# Altium PCB HDMI_To_MIPI.PcbDoc (part 2 of 2)
Units mm, origin at the board's own origin, x right, y up, seen from the top; angles counter-clockwise.
Board outline 144 x 71 mm, 2 copper layers (Top1, Bottom2), stack 1.071 mm thick; 56 components, 61 nets, 363 pads, 170 vias.
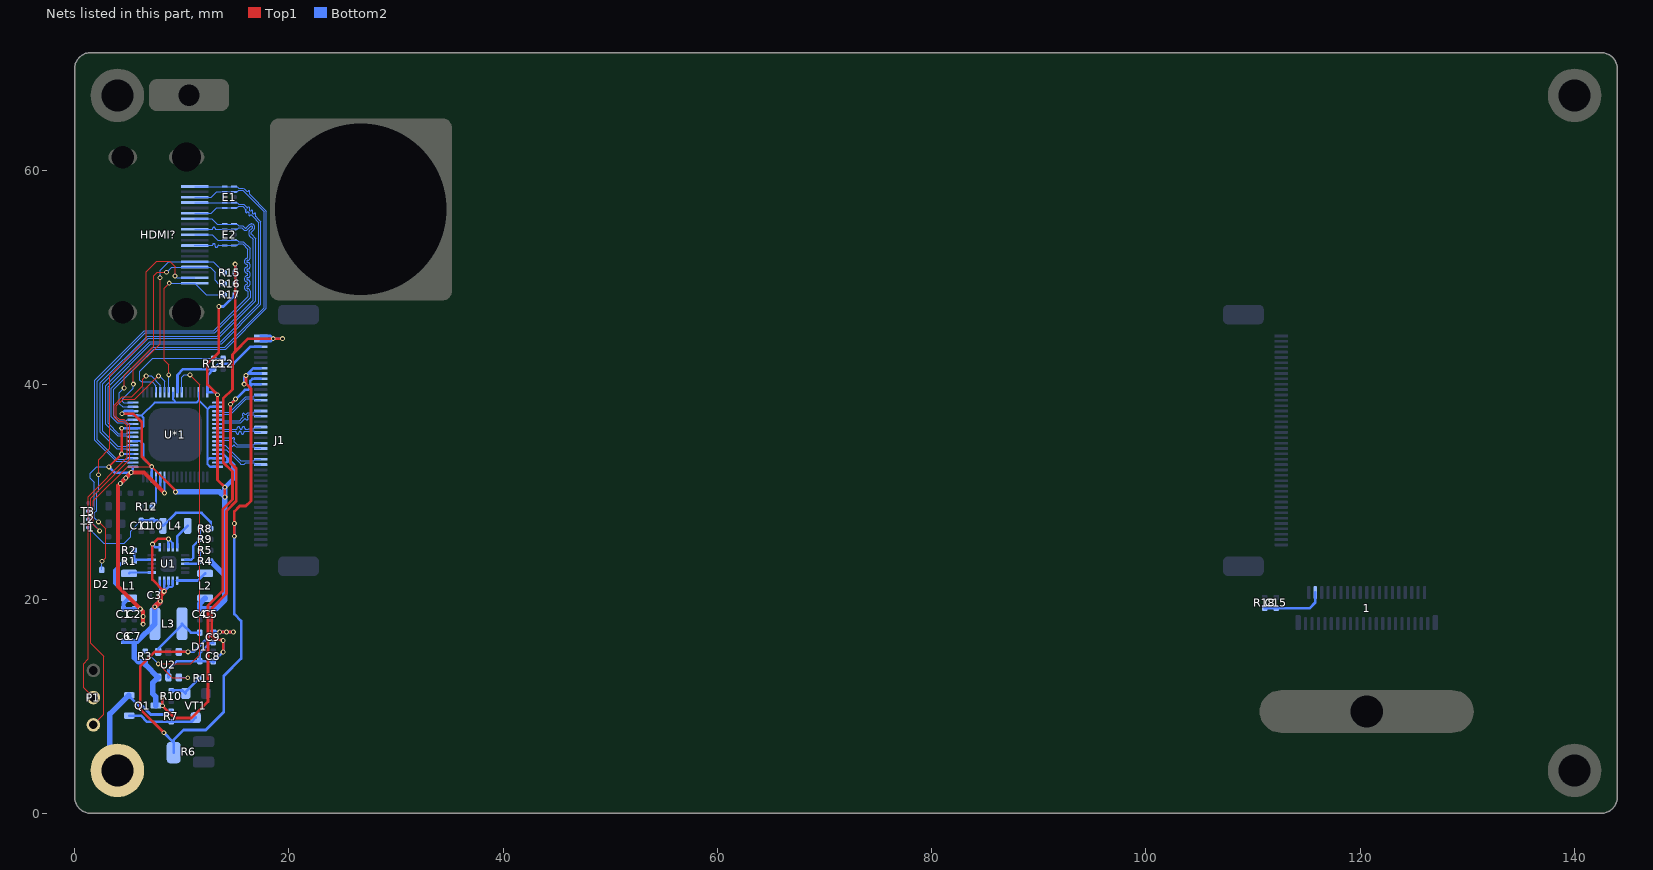
[diagram p2: the nets of this part, all layers, seen from the top]

## Via types
v1: diameter 0.457, hole 0.254, Top1 to Bottom2, tented both sides, 170 vias

## Nets (pads, with @x,y where several pads share a name; then routed paths per layer and width w, separated by ;. In a path a pad name is that pad's centre, name@x,y a point inside that pad or via, vN(x,y) a via of type N, cw(c..) or ccw(c..) an arc to the next point about the centre after c; other vN are vias at no path point) (continued)
HDMI_5V_DET: R3.1 U2.4 U*1.26 | length 38.8
  Top1 w0.102: v1(10.566,12.649) 9.1,12.649 v1(7.804,13.945) 10.82,13.945 11.684,14.808 11.684,40.005 v1(10.77,40.919)
  Bottom2 w0.102: R3.1@6.604,15.145 v1(7.804,13.945) ; U2.4@9.728,12.681 10.534,12.681 v1(10.566,12.649) ; U*1.26@9.998,39.288 9.998,40.681 10.236,40.919 v1(10.77,40.919)
HDMIC_N: E2.1 E2.10 HDMI?.12 U*1.2 | length 38.9
  Bottom2 w0.102: U*1.2@5.448,32.738 4.897,32.738 4.799,32.836 3.867,32.836 1.905,34.798 1.905,40.419 6.52,45.034 12.997,45.034 16.18,48.217 16.18,48.743 ; HDMI?.12@11.21,52.984 11.226,53 12.776,53 12.804,53 ccw(c12.804,53.086) 12.89,53.086 cw(c12.982,53.086) 12.982,53.178 13.028,53.178 cw(c13.028,53.086) 13.119,53.086 13.119,53 13.119,52.914 ccw(c13.211,52.914) 13.211,52.822 13.256,52.822 ccw(c13.256,52.914) 13.348,52.914 cw(c13.434,52.914) 13.434,53 13.513,53 E2.1@14,53 E2.10@14.875,53 15.188,53 15.337,53.148 15.678,53.148 16.18,52.646 16.18,51.841 ; 16.154,48.768 cw(c16.154,49.073) 16.154,49.378 ; 16.154,49.581 cw(c16.154,49.886) 16.154,50.19 ; 16.154,50.394 cw(c16.154,50.698) 16.154,51.003 ; 16.154,51.206 cw(c16.154,51.511) 16.154,51.816 ; 16.18,49.403 16.18,49.555 ; 16.18,50.216 16.18,50.368 ; 16.18,51.029 16.18,51.181
HDMIC_P: E2.2 E2.9 HDMI?.10 U*1.3 | length 38.9
  Bottom2 w0.102: U*1.3@5.448,33.138 4.897,33.138 4.799,33.04 3.951,33.04 2.108,34.882 2.108,40.335 6.604,44.831 13.081,44.831 16.383,48.133 16.383,48.743 ccw(c16.154,48.743) 16.154,48.971 cw(c16.154,49.073) 16.154,49.174 ccw(c16.154,49.403) 16.383,49.403 16.383,49.555 ccw(c16.154,49.555) 16.154,49.784 cw(c16.154,49.886) 16.154,49.987 ccw(c16.154,50.216) 16.383,50.216 16.383,50.368 ccw(c16.154,50.368) 16.154,50.597 cw(c16.154,50.698) 16.154,50.8 ccw(c16.154,51.029) 16.383,51.029 16.383,51.181 ccw(c16.154,51.181) 16.154,51.41 cw(c16.154,51.511) 16.154,51.613 ccw(c16.154,51.841) 16.383,51.841 16.383,52.73 15.762,53.352 15.337,53.352 15.188,53.5 E2.9@14.875,53.5 E2.2@14,53.5 13.353,53.5 12.853,54 HDMI?.10@11.21,54
HDMID0_N: E2.4 E2.7 HDMI?.9 U*1.5 | length 38.9
  Bottom2 w0.102: U*1.5@5.448,33.938 4.897,33.938 4.799,34.036 3.937,34.036 2.413,35.56 2.413,40.165 6.774,44.526 13.31,44.526 16.688,47.904 16.688,53.561 16.322,53.926 cw(c16.538,54.142) 16.322,54.357 16.592,54.626 ccw(c16.52,54.698) 16.622,54.698 ccw(c16.52,54.698) 16.448,54.77 16.179,54.501 cw(c15.963,54.716) 15.748,54.501 15.6,54.648 15.337,54.648 15.188,54.5 E2.7@14.875,54.5 E2.4@14,54.5 13.259,54.5 13.208,54.5 cw(c13.208,54.602) 13.106,54.602 ccw(c13.005,54.602) 13.005,54.703 ccw(c13.005,54.602) 12.903,54.602 cw(c12.802,54.602) 12.802,54.5 HDMI?.9@11.21,54.5
HDMID0_P: E2.5 E2.6 HDMI?.7 U*1.6 | length 38.9
  Bottom2 w0.102: U*1.6@5.448,34.338 4.897,34.338 4.799,34.24 4.021,34.24 2.616,35.644 2.616,40.081 6.858,44.323 13.394,44.323 16.891,47.82 16.891,53.645 16.466,54.07 cw(c16.538,54.142) 16.466,54.213 16.736,54.483 ccw(c16.52,54.698) 16.825,54.698 ccw(c16.52,54.698) 16.304,54.914 16.035,54.644 cw(c15.963,54.716) 15.891,54.644 15.684,54.852 15.337,54.852 15.188,55 E2.6@14.875,55 E2.5@14,55 13.301,55 12.801,55.5 HDMI?.7@11.21,55.5
HDMID1_N: E1.1 E1.10 HDMI?.6 U*1.8 | length 38.9
  Bottom2 w0.102: U*1.8@5.448,35.138 4.897,35.138 4.799,35.236 4.007,35.236 2.921,36.322 2.921,39.911 7.028,44.018 13.632,44.018 17.196,47.582 17.196,55.135 16.608,55.724 16.606,55.725 16.517,55.815 ccw(c16.463,55.761) 16.409,55.815 cw(c16.337,55.886) 16.265,55.815 cw(c16.337,55.886) 16.265,55.958 ccw(c16.211,56.012) 16.265,56.066 16.229,56.102 ccw(c16.175,56.048) 16.122,56.102 cw(c16.05,56.174) 15.978,56.102 cw(c16.05,56.174) 15.978,56.246 ccw(c15.924,56.299) 15.978,56.353 15.888,56.443 15.816,56.515 15.683,56.648 15.337,56.648 15.188,56.5 E1.10@14.875,56.5 E1.1@14,56.5 13.259,56.5 12.759,56 HDMI?.6@11.21,56
HDMID1_P: E1.2 E1.9 HDMI?.4 U*1.9 | length 38.9
  Bottom2 w0.102: U*1.9@5.448,35.538 4.897,35.538 4.799,35.44 4.091,35.44 3.124,36.406 3.124,39.827 7.112,43.815 13.716,43.815 17.399,47.498 17.399,55.22 17.018,55.601 16.988,55.63 16.899,55.72 cw(c16.952,55.774) 16.899,55.828 ccw(c16.827,55.9) 16.899,55.972 ccw(c16.827,55.9) 16.755,55.972 cw(c16.701,56.025) 16.647,55.972 16.611,56.007 cw(c16.665,56.061) 16.611,56.115 ccw(c16.539,56.187) 16.611,56.259 ccw(c16.539,56.187) 16.467,56.259 cw(c16.414,56.313) 16.36,56.259 16.324,56.295 cw(c16.378,56.349) 16.324,56.403 ccw(c16.252,56.474) 16.324,56.546 ccw(c16.252,56.474) 16.18,56.546 cw(c16.126,56.6) 16.072,56.546 15.983,56.636 15.839,56.78 15.767,56.852 15.337,56.852 15.188,57 E1.9@14.875,57 E1.2@14,57 HDMI?.4@11.21,57
HDMID2_N: E1.4 E1.7 HDMI?.3 U*1.11 | length 38.9
  Bottom2 w0.102: U*1.11@5.448,36.338 4.897,36.338 4.799,36.436 4.004,36.436 3.429,37.011 3.429,39.657 7.282,43.51 14.013,43.51 17.704,47.201 17.704,56.126 16.252,57.578 15.681,58.148 15.337,58.148 15.188,58 E1.7@14.875,58 E1.4@14,58 13.271,58 12.771,57.5 HDMI?.3@11.21,57.5
HDMID2_P: E1.5 E1.6 HDMI?.1 U*1.12 | length 38.9
  Bottom2 w0.102: U*1.12@5.448,36.738 4.897,36.738 4.799,36.64 4.088,36.64 3.632,37.095 3.632,39.573 7.366,43.307 14.097,43.307 17.907,47.117 17.907,56.21 16.396,57.721 16.34,57.777 cw(c16.412,57.849) 16.34,57.921 ccw(c16.268,57.992) 16.34,58.064 ccw(c16.268,57.992) 16.197,58.064 cw(c16.125,58.136) 16.053,58.064 15.981,58.136 15.837,58.28 15.766,58.352 15.337,58.352 15.188,58.5 E1.6@14.875,58.5 HDMI?.1@11.21,58.5
HPD: HDMI?.19 R17.2 U*1.23 | length 16.1
  Top1 w0.102: v1(8.788,40.919) 8.788,41.885 8.382,42.291 8.382,49.022 v1(8.839,49.479)
  Bottom2 w0.102: U*1.23@8.798,39.288 v1@8.798,40.91 ; v1(8.839,49.479) HDMI?.19@11.21,49.479 12.302,48.387 R17.2@13.97,48.387
MIPI1_D0_N: J1.13 U*1.36 | length 4.7
  Bottom2 w0.102: U*1.36@13.348,37.138 13.74,37.138 13.839,37.236 14.58,37.236 16.04,38.696 16.73,38.696 16.789,38.637 16.789,38.631 16.872,38.548 J1.13@17.374,38.548
MIPI1_D0_P: J1.12 U*1.35 | length 4.7
  Bottom2 w0.102: U*1.35@13.348,37.538 13.74,37.538 13.839,37.44 14.495,37.44 15.955,38.9 16.73,38.9 16.789,38.959 16.789,38.965 16.872,39.048 J1.12@17.374,39.048
MIPI1_D1_N: J1.16 U*1.38 | length 4.8
  Bottom2 w0.102: U*1.38@13.348,36.338 13.74,36.338 13.839,36.436 15.489,36.436 15.627,36.574 15.824,36.772 cw(c15.905,36.691) 15.986,36.772 16.004,36.754 ccw(c16.085,36.834) 16.166,36.754 ccw(c16.085,36.834) 16.166,36.915 16.148,36.933 cw(c16.229,37.014) 16.148,37.095 16.249,37.196 16.369,37.196 16.73,37.196 16.789,37.137 16.789,37.131 16.872,37.048 J1.16@17.374,37.048
MIPI1_D1_P: J1.15 U*1.37 | length 4.8
  Bottom2 w0.102: U*1.37@13.348,36.738 13.74,36.738 13.839,36.64 15.405,36.64 15.672,36.906 15.708,36.942 ccw(c15.627,37.023) 15.708,37.104 15.69,37.122 cw(c15.771,37.203) 15.69,37.283 cw(c15.771,37.203) 15.851,37.283 15.869,37.265 ccw(c15.95,37.346) 16.031,37.265 16.165,37.4 16.73,37.4 16.789,37.459 16.789,37.465 16.872,37.548 J1.15@17.374,37.548
MIPI1_D2_N: J1.22 U*1.42 | length 4.7
  Bottom2 w0.102: U*1.42@13.348,34.738 13.74,34.738 13.839,34.836 14.44,34.836 14.637,34.639 cw(c14.556,34.558) 14.637,34.477 14.619,34.459 ccw(c14.7,34.378) 14.619,34.298 ccw(c14.7,34.378) 14.781,34.298 14.799,34.316 cw(c14.88,34.235) 14.96,34.316 15.08,34.196 16.73,34.196 16.789,34.137 16.789,34.131 16.872,34.048 J1.22@17.374,34.048
MIPI1_D2_P: J1.21 U*1.41 | length 4.7
  Bottom2 w0.102: U*1.41@13.348,35.138 13.74,35.138 13.839,35.04 14.524,35.04 14.56,35.004 ccw(c14.641,35.084) 14.721,35.004 14.739,35.022 cw(c14.82,34.941) 14.901,35.022 cw(c14.82,34.941) 14.901,34.86 14.883,34.842 ccw(c14.964,34.761) 14.883,34.68 15.136,34.427 15.164,34.4 16.73,34.4 16.789,34.459 16.789,34.465 16.872,34.548 J1.21@17.374,34.548
MIPI1_D3_N: J1.25 U*1.44 | length 4.7
  Bottom2 w0.102: U*1.44@13.348,33.938 14.17,33.938 15.411,32.696 15.519,32.588 15.85,32.588 15.958,32.696 16.071,32.696 16.73,32.696 16.789,32.637 16.789,32.631 16.872,32.548 J1.25@17.374,32.548
MIPI1_D3_P: J1.24 U*1.43 | length 4.7
  Bottom2 w0.102: U*1.43@13.348,34.338 14.082,34.338 15.521,32.9 16.73,32.9 16.789,32.959 16.789,32.965 16.872,33.048 J1.24@17.374,33.048
MIPI1_DC_N: J1.19 U*1.40 | length 4.8
  Bottom2 w0.102: U*1.40@13.348,35.538 13.74,35.538 13.839,35.636 14.707,35.636 14.986,35.636 cw(c14.986,35.522) 15.1,35.522 15.1,35.497 ccw(c15.215,35.497) 15.329,35.497 15.329,35.522 cw(c15.443,35.522) 15.558,35.522 15.558,35.497 ccw(c15.672,35.497) 15.786,35.497 15.786,35.522 cw(c15.9,35.522) 15.9,35.636 16.158,35.636 16.315,35.636 16.375,35.696 16.73,35.696 16.789,35.637 16.789,35.631 16.872,35.548 J1.19@17.374,35.548
MIPI1_DC_P: J1.18 U*1.39 | length 4.8
  Bottom2 w0.102: U*1.39@13.348,35.938 13.74,35.938 13.839,35.84 15.035,35.84 15.086,35.84 ccw(c15.086,35.954) 15.2,35.954 15.2,35.979 cw(c15.314,35.979) 15.428,35.979 15.428,35.954 ccw(c15.543,35.954) 15.657,35.954 15.657,35.979 cw(c15.771,35.979) 15.886,35.979 15.886,35.954 ccw(c16,35.954) 16,35.84 16.231,35.84 16.261,35.87 16.291,35.9 16.73,35.9 16.789,35.959 16.789,35.965 16.872,36.048 J1.18@17.374,36.048
NetC12_2: C12.2 R13.1 U*1.20 | length 11.5
  Bottom2 w0.102: U*1.20@7.598,39.288 7.598,39.9 7.239,40.259 6.248,40.259 6.071,40.437 6.071,41.25 7.29,42.469 R13.1@12.979,42.469 C12.2@13.868,42.469
NetD1_1: D1.1 L3.2 U2.1 | length 5.5
  Bottom2 w0.254: U2.1@7.798,15.069 7.798,15.349 10.033,17.584 L3.2@10.033,17.685 10.863,16.855 D1.1@11.684,16.855
NetD2_1: D2.1 HDMI?.18 | length 36.5
  Top1 w0.102: v1(2.235,27.203) 2.896,26.543 2.896,23.851 v1(2.565,23.52) ; v1(2.235,31.598) 2.235,32.995 3.302,34.061 3.302,40.843 6.706,44.247 6.706,50.546 7.671,51.511 8.865,51.511 9.373,51.003 v1(9.373,50.14)
  Bottom2 w0.102: v1(2.235,27.203) 1.854,27.584 1.854,28.029 2.083,28.258 2.083,29.972 2.235,30.124 v1(2.235,31.598) ; D2.1@2.54,22.716 2.54,23.495 v1(2.565,23.52) ; v1(9.373,50.14) 9.525,49.987 HDMI?.18@11.21,49.987
NetL1_1: L1.1 U1.11 | length 2.2
  Bottom2 w0.229: L1.1@5.08,22.391 5.162,22.473 U1.11@7.213,22.473
NetL2_1: L2.1 U1.6 | length 2.9
  Bottom2 w0.254: U1.6@9.563,21.723 11.531,21.723 L2.1@12.192,22.384
NetL4_1: L4.1 U1.20 | length 2.4
  Bottom2 w0.229: U1.20@9.563,24.823 9.563,25.844 L4.1@10.548,26.829
NetQ1_1: Q1.1 R7.1 VT1.3 | length 6.6
  Bottom2 w0.254: Q1.1@5.104,9.107 6.184,9.107 6.758,8.533 R7.1@9.017,8.533 10.904,8.533 VT1.3@11.303,8.932
NetR1_1: R1.1 R2.2 U1.14 | length 2.7
  Bottom2 w0.229: R2.2@5.588,24.543 R1.1@5.588,23.527 5.734,23.673 U1.14@7.213,23.673
NetR4_1: R4.1 R5.2 U1.3 | length 2.5
  Bottom2 w0.229: U1.3@10.313,23.273 11.43,23.273 R4.1@11.684,23.527 R5.2@11.684,24.543
NetR8_1: R8.1 R9.2 U1.2 | length 3.8
  Bottom2 w0.229: U1.2@10.313,23.673 10.897,23.673 11.074,23.851 11.074,24.949 R9.2@11.684,25.559 R8.1@11.684,26.575
NetR10_1: R10.1 R11.1 VT1.1 | length 3.4
  Bottom2 w0.254: R10.1@9.017,11.454 10.081,11.454 VT1.1@10.353,11.182 10.353,11.318 11.582,12.548 R11.1@11.582,12.624
NetR12_2: R12.2 U*1.61 | length 2.9
  Bottom2 w0.178: R12.2@7.239,28.607 7.598,28.966 U*1.61@7.598,31.388
R_DDC_SCL: HDMI?.15 R15.1 U*1.16 | length 21.4
  Top1 w0.102: v1(5.486,40.056) 5.486,41.351 7.976,43.84 v1(7.976,49.987)
  Bottom2 w0.102: U*1.16@5.448,38.338 4.592,38.338 4.5,38.43 4.5,38.688 5.486,39.675 v1(5.486,40.056) ; v1(7.976,49.987) 7.976,50.673 8.788,51.485 HDMI?.15@11.21,51.485 12.954,51.485 R15.1@13.97,50.47
R_DDC_SDA: HDMI?.16 R16.1 U*1.15 | length 22.7
  Top1 w0.102: v1(4.623,39.7) 4.623,40.843 7.391,43.612 7.391,50.19 7.696,50.495 v1(8.585,50.495)
  Bottom2 w0.102: v1(4.623,39.7) 4.191,39.268 4.191,38.227 4.48,37.938 U*1.15@5.448,37.938 ; v1(8.585,50.495) 9.067,50.977 HDMI?.16@11.21,50.977 12.65,50.977 13.106,50.521 13.106,49.733 13.411,49.428 R16.1@13.97,49.428
R_I2C_SCL: P1.2 U*1.21 | length 37
  Top1 w0.102: P1.2@1.753,10.795 0.838,11.709 0.838,13.97 1.27,14.402 1.27,29.561 4.937,33.229 4.937,36.152 4.513,36.576 4.064,36.576 3.683,36.957 3.683,38.1 4.445,38.862 5.334,38.862 6.375,39.903 6.375,40.513 v1(6.68,40.818)
  Bottom2 w0.102: v1(6.68,40.818) 7.139,40.818 7.998,39.959 U*1.21@7.998,39.288
R_I2C_SDA: P1.3 U*1.22 | length 39.8
  Top1 w0.102: P1.3@1.753,8.255 2.718,9.22 2.718,14.656 1.499,15.875 1.499,29.413 5.141,33.055 5.141,36.236 4.597,36.779 4.148,36.779 3.912,37.015 3.912,38.024 4.521,38.633 5.639,38.633 v1(7.823,40.818)
  Bottom2 w0.102: v1(7.823,40.818) 7.899,40.818 8.398,40.319 U*1.22@8.398,39.288
RST: 1.4 C15.2 R18.1 | length 5.9
  Bottom2 w0.254: R18.1@111.074,19.126 C15.2@112.166,19.126 115.265,19.126 115.8,19.661 1.4@115.8,20.6
V_MIPI: C3.2 C6.2 C7.2 J1.1 J1.2 L3.1 Q1.3 R3.2 R15.2 R16.2 U1.7 U1.8 U1.9 U1.10 U1.16 U1.18 U1.19 U2.6 | length 89.8
  Top1 w0.229: v1(8.363,20.714) 7.264,21.813 v1(7.264,25.121) 7.747,25.603 v1(8.763,25.603)
  Top1 w0.254: v1(8.179,10.87) 8.179,10.058 v1(8.204,10.033) 9.347,8.89 10.922,8.89 12.446,10.414 12.446,19.38 13.818,20.752 13.818,28.367 14.732,29.281 14.732,31.902 13.868,32.766 13.868,38.71 14.732,39.573 14.732,42.824 14.986,43.078 ; v1(14.986,51.257) 14.986,43.078 ; v1(19.404,44.296) v1(18.544,44.296) 16.203,44.296 14.986,43.078
  Top1 w0.508: v1(7.493,19.279) v1(8.001,19.787) 8.001,20.352 v1(8.363,20.714)
  Bottom2 w0.203: U1.10@7.963,21.723 7.963,20.39 C3.2@8.001,20.352 ; v1(8.363,20.714) U1.9@8.363,21.723 ; U1.8@8.763,21.723 8.763,21.114 9.049,21.114 9.163,21.228 U1.7@9.163,21.723
  Bottom2 w0.229: v1(7.264,25.121) 7.562,24.823 U1.16@7.963,24.823 ; U1.18@8.763,24.823 v1(8.763,25.603) 9.163,25.203 U1.19@9.163,24.823
  Bottom2 w0.254: C3.2@8.001,20.352 v1(8.363,20.714) 8.763,21.114 ; v1(8.179,10.87) 8.179,10.058 v1(8.204,10.033) ; R16.2@14.986,49.428 R15.2@14.986,50.47 v1(14.986,51.257) ; J1.2@17.374,44.048 18.296,44.048 v1(18.544,44.296) ; J1.1@17.374,44.548 18.292,44.548 v1(18.544,44.296) ; v1@19.406,44.298 v1(19.404,44.296) v1(18.544,44.296)
  Bottom2 w0.508: C6.2@4.572,16.034 C7.2@5.588,16.034 ; Q1.3@7.596,10.057 7.596,10.87 7.315,11.151 7.315,12.199 U2.6@7.798,12.681 6.604,13.875 R3.2@6.604,14.129 5.988,14.129 5.588,14.529 C7.2@5.588,16.034 ; C3.2@8.001,20.352 v1(8.001,19.787) v1(7.493,19.279) L3.1@7.493,17.685 5.842,16.034 C7.2@5.588,16.034
VBUS_A2: pad.@4,4 Q1.2 R7.2 | length 12.9
  Bottom2 w0.254: Q1.2@5.071,10.956 6.02,10.008 6.325,10.008 7.112,9.22 8.688,9.22 R7.2@9.017,9.549
  Bottom2 w0.508: pad.@4,4 3.302,4.698 3.302,9.271 5.071,11.04 Q1.2@5.071,10.956
VCC_1V2: C1.1 C2.1 L1.2 R1.2 T3.0 U*1.1 U*1.4 U*1.10 U*1.13 U*1.24 U*1.30 U*1.34 U*1.46 U*1.48 U*1.59 U*1.60 | length 68.1
  Top1 w0.203: v1(3.197,32.338) v1(4.397,33.538) v1(4.397,35.938)
  Top1 w0.381: v1(6.401,17.653) v1(6.401,18.364) 6.401,18.821 v1(6.14,19.082) 4.064,21.158 4.064,30.582 v1(4.267,30.785) v1(4.775,31.293) v1(5.283,31.801) 6.493,31.801 v1(8.398,29.896)
  Bottom2 w0.102: T3.0@1.27,28.194 1.651,28.194 1.854,28.397 1.854,30.903 1.473,31.284 1.473,31.725 2.087,32.338 v1(3.197,32.338)
  Bottom2 w0.203: v1(4.397,33.538) U*1.4@5.448,33.538 ; v1(4.397,35.938) U*1.10@5.448,35.938 6.245,35.938 6.426,36.119 6.426,36.932 6.22,37.138 ; U*1.13@5.448,37.138 6.22,37.138 ; U*1.60@7.998,31.388 7.998,30.296 v1(8.398,29.896) U*1.59@8.398,31.388 ; U*1.24@9.198,39.288 9.198,38.63 9.5,38.329 ; U*1.30@11.598,39.288 11.598,38.542 ; U*1.48@13.348,32.338 12.645,32.338 12.421,32.563 12.421,32.944 ; U*1.46@13.348,33.138 12.615,33.138 12.421,32.944 ; U*1.34@13.348,37.938 12.64,37.938 12.421,37.719 ; 6.22,37.138 6.277,37.138 7.468,38.329 9.5,38.329 ; 9.5,38.329 11.385,38.329 11.598,38.542 ; 11.598,38.542 12.421,37.719 ; 12.421,32.944 12.421,37.719
  Bottom2 w0.229: v1(3.197,32.338) 3.734,31.801 v1(5.283,31.801) 5.448,31.966 U*1.1@5.448,32.338
  Bottom2 w0.254: R1.2@4.572,23.527 3.734,22.689 3.734,21.437 L1.2@5.08,20.091
  Bottom2 w0.381: v1(4.267,30.785) v1(4.775,31.293) v1(5.283,31.801) ; L1.2@5.08,20.091 4.572,19.583 C1.1@4.572,19.082 C2.1@5.588,19.082 v1(6.14,19.082) 6.401,18.821 v1(6.401,18.364) v1(6.401,17.653)
VCC_1V8: C10.1 C11.1 L4.2 R8.2 T1.0 | length 14.9
  Bottom2 w0.102: T1.0@1.27,26.67 2.743,25.197 4.623,25.197 5.232,25.806 5.232,26.346 C11.1@6.223,27.337
  Bottom2 w0.254: C11.1@6.223,27.337 C10.1@7.239,27.337 7.74,27.337 L4.2@8.248,26.829 9.461,28.042 11.862,28.042 12.7,27.203 R8.2@12.7,26.575
VCC_3V3: C4.1 C5.1 J1.3 L2.2 R4.2 R13.2 R17.1 T2.0 U*1.7 U*1.14 U*1.25 U*1.32 U*1.33 U*1.45 U*1.47 U*1.62 | length 89
  Top1 w0.102: v1(2.337,26.365) 1.753,26.949 1.753,29.159 4.943,32.35 v1(7.198,32.35)
  Top1 w0.203: v1(7.198,32.35) 9.423,30.124 v1(9.423,29.997)
  Top1 w0.254: v1(4.42,37.287) 5.486,37.287 6.274,36.5 6.274,33.274 v1(7.198,32.35) ; v1(13.462,47.295) 13.462,43.028 12.395,41.961 12.395,40.018 v1(13.348,39.065) 13.348,31.102 v1(14.021,30.429) v1(14.021,29.515)
  Bottom2 w0.102: T2.0@1.27,27.432 v1(2.337,26.365)
  Bottom2 w0.203: U*1.7@5.448,34.738 6.131,34.738 6.426,34.442 6.426,33.122 v1(7.198,32.35) U*1.62@7.198,31.388 ; U*1.47@13.348,32.738 14.171,32.738 14.326,32.893 14.326,33.007 14.326,33.093 13.889,33.53 13.356,33.53 U*1.45@13.348,33.538
  Bottom2 w0.254: v1(4.42,37.287) 4.67,37.538 U*1.14@5.448,37.538 ; U*1.25@9.598,39.288 9.598,40.916 10.135,41.453 R13.2@12.979,41.453 ; U*1.33@13.348,38.338 v1(13.348,39.065) 13.125,39.288 U*1.32@12.398,39.288 12.398,40.871 R13.2@12.979,41.453 ; v1(13.462,47.295) 13.894,47.295 R17.1@14.986,48.387 ; J1.3@17.374,43.548 16.421,43.548 14.834,41.961 13.487,41.961 R13.2@12.979,41.453
  Bottom2 w0.381: v1(14.021,30.429) 14.808,31.217 14.808,32.525 14.326,33.007
  Bottom2 w0.508: v1(9.423,29.997) 13.538,29.997 v1(14.021,29.515) ; L2.2@12.192,20.084 11.684,19.576 C4.1@11.684,19.082 C5.1@12.7,19.082 13.189,19.082 14.021,19.914 14.021,22.206 ; R4.2@12.7,23.527 14.021,22.206 ; v1(14.021,30.429) v1(14.021,29.515) ; 14.021,22.206 v1(14.021,29.515)
VLED+: C8.2 C9.2 D1.2 J1.9 J1.10 U2.5 | length 41
  Top1 w0.254: v1(13.868,15.043) v1(13.868,16.129) 13.792,16.205 13.132,16.205 12.802,16.535 12.802,19.126 14.173,20.498 14.173,28.219 15.088,29.134 15.088,32.156 14.554,32.69 v1(14.554,38.176) 15.011,38.633 v1(15.011,38.659)
  Bottom2 w0.254: U2.5@8.763,12.681 8.763,13.411 9.548,14.197 D1.2@11.684,14.197 ; C8.2@12.886,14.197 D1.2@11.684,14.197 ; C8.2@12.954,14.129 v1(13.868,15.043) v1(13.868,16.129) ; C9.2@12.954,15.907 12.63,15.907 11.684,14.961 D1.2@11.684,14.197 ; v1(14.554,38.176) 15.9,39.522 16.205,39.522 16.383,39.7 16.383,40.335 16.596,40.548 J1.9@17.374,40.548 ; 16.383,39.835 16.596,40.048 J1.10@17.374,40.048
VLED-: C9.1 J1.7 J1.8 R6.3 U2.3 | length 66.2
  Top1 w0.254: v1(8.331,7.518) 6.121,9.728 6.121,13.716 7.474,15.069 v1(10.592,15.069) ; v1(13.538,16.923) v1(14.176,16.923) v1(14.815,16.923) ; v1(14.91,25.857) v1(14.91,27.051) 14.91,28.169 15.418,28.677 15.977,28.677 16.459,29.159 16.459,39.624 16.027,40.056 v1(15.824,40.056) 16.002,40.234 v1(16.002,40.869)
  Bottom2 w0.254: v1(8.331,7.518) R6.3@9.246,6.604 ; R6.3@9.246,5.664 R6.3@9.246,6.604 ; U2.3@9.728,15.069 v1(10.592,15.069) 11.1,15.069 C9.1@12.954,16.923 v1(13.538,16.923) v1(14.176,16.923) v1(14.815,16.923) ; v1(14.91,27.051) v1(14.91,25.857) 14.91,18.593 15.545,17.958 15.545,14.427 13.919,12.802 13.919,9.449 12.243,7.772 10.16,7.772 9.246,6.858 R6.3@9.246,6.604 ; v1(15.824,40.056) 15.824,40.691 v1(16.002,40.869) 16.181,41.048 ; J1.8@17.374,41.048 16.181,41.048 ; J1.7@17.374,41.548 16.681,41.548 16.181,41.048
pads on no net: 1.3 1.5 1.6 1.9 1.13 1.17 1.21 1.25 1.28 1.37 1.38 1.39 HDMI?.13 HDMI?.14 HDMI?.17 J1.5 J1.27 J1.28 J1.30 J1.31 J1.33 J1.34 J1.36 J1.37 J1.39 J1.40 J2.1 J2.2 J2.4 J2.5 J2.7 J2.8 J2.10 J2.11 J2.13 J2.14 J2.36 J2.39 J2.40 R6.2 U*1.17 U*1.18 U*1.27 U*1.28 U*1.29 U*1.31 U*1.49 U*1.50 U*1.51 U*1.52 U*1.53 U*1.54 U*1.55 U*1.56 U*1.57 U*1.58

## Polygon pours and split planes (outlines as drawn)
GND on Top1 "GND_L01_P000" (solid, remove dead copper, pour order 0): 0,71 144,71 144,0 0,0
GND on Bottom2 "GND_L02_P001" (solid, remove dead copper, pour order 1): 0,71 144,71 144,0 0,0

## Keep-outs
Keep-Out Layer:
  the board outline again, w0.254

## Silkscreen, mask and mechanical layers (free items; w line width, h text height)
Top Overlay:
  lines w0.254: 2.667,17.653 2.667,43.764
  lines w1: 15.24,2.54 15.24,62.992
  text "WWW.PENGZHIHUI.XYZ" at 3.861,43.409 h2.54 r270
  text "PocketLCD" at 7.874,42.469 h5.08 r270
  text "1920x1080" at 6.858,16.51 h2.03 r270
  text "| 5.5'" at 8.89,16.51 h3.81 r270
Bottom Overlay:
  lines w0.508: 17,20.574 17,2.5 137,2.5 137,68.5 17,68.5 17,49.022
Top Solder:
  region: 6.35,56.896 7.62,54.356 6.35,51.816
  lines w0.178: 9.703,5.156 9.83,5.156 ; 9.703,5.537 10.846,5.537 ; 9.728,2.184 9.855,2.184 ; 9.728,2.565 10.871,2.565 ; 9.728,3.708 9.855,3.708 ; 9.728,4.089 10.871,4.089 ; 10.211,5.156 10.338,5.156 ; 10.236,2.184 10.363,2.184 ; 10.236,3.708 10.363,3.708 ; 10.719,5.156 10.846,5.156 ; 10.744,2.184 10.871,2.184 ; 10.744,3.708 10.871,3.708
  lines w1.778: 14.986,0 1.524,0 cw(c1.524,1.524) 0,1.524 0,69.476 cw(c1.524,69.476) 1.524,71 14.986,71
  text "HDMI-IN" at 3.454,59.258 h3.05 r270
  text "5V     3A" at 7.722,4.877 h1.52
  text "9V     2A" at 7.747,3.429 h1.52
  text "12V     1.5A" at 7.112,1.905 h1.52
Drill Drawing:
  circle w0.254: c1.845,110.827 r0.847
  lines w0.254: 0.998,95.164 1.421,95.164 1.421,94.741 2.268,94.741 2.268,95.164 2.691,95.164 2.691,96.011 2.268,96.011 2.268,96.434 1.421,96.434 1.421,96.011 0.998,96.011 0.998,95.164 ; 0.998,98.551 1.845,98.974 2.691,98.551 2.268,99.397 2.691,100.244 1.845,99.821 0.998,100.244 1.421,99.397 0.998,98.551 ; 0.998,104.054 2.691,104.054 1.845,102.361 0.998,104.054 ; 0.998,106.171 2.691,106.171 2.691,107.864 0.998,107.864 0.998,106.171 ; 0.998,113.791 0.998,114.214 1.421,114.637 0.998,115.061 0.998,115.484 1.421,115.484 1.845,115.061 2.268,115.484 2.691,115.484 2.691,115.061 2.268,114.637 2.691,114.214 2.691,113.791 2.268,113.791 1.845,114.214 1.421,113.791 0.998,113.791 ; 0.998,118.447 1.845,117.601 2.691,118.447 1.845,119.294 0.998,118.447
  lines w0.381: -0.521,93.598 353.1,93.598 ; -0.521,120.268 353.1,120.268 ; 13.472,89.788 13.472,124.078 ; 28.454,89.788 28.454,124.078 ; 57.655,89.788 57.655,124.078 ; 70.504,89.788 70.504,124.078 ; 89.143,89.788 89.143,124.078 ; 119.36,89.788 119.36,124.078 ; 134.342,89.788 134.342,124.078 ; 162.02,89.788 162.02,124.078 ; 197.316,89.788 197.316,124.078 ; 219.001,89.788 219.001,124.078 ; 252.875,89.788 252.875,124.078 ; 286.749,89.788 286.749,124.078 ; 317.474,89.788 317.474,124.078 ; -0.521,89.788 353.1,89.788 353.1,124.078 -0.521,124.078 -0.521,89.788
  text "Symbol" at 1.765,121.411 h1.83
  text "Count" at 14.615,121.411 h1.83
  text "Hole Size" at 29.597,121.411 h1.83
  text "Plated" at 58.798,121.411 h1.83
  text "Hole Type" at 71.647,121.411 h1.83
  text "Drill Layer Pair" at 90.286,121.411 h1.83
  text "Via/Pad" at 120.503,121.411 h1.83
  text "Pad Shape" at 135.485,121.411 h1.83
  text "Template" at 163.163,121.411 h1.83
  text "Description" at 198.459,121.411 h1.83
  text "Hole Tolerance (+)" at 220.144,121.411 h1.83
  text "Hole Tolerance (-)" at 254.018,121.411 h1.83
  text "Hole Length" at 287.892,121.411 h1.83
  text "Routed Path Length" at 318.617,121.411 h1.83
  text "1" at 14.615,117.601 h1.52
  text "78.74mil (2.000mm)" at 29.597,117.601 h1.52
  text "PTH" at 58.798,117.601 h1.52
  text "Rectangle" at 71.647,117.601 h1.52
  text "Top1 - Bottom2" at 90.286,117.601 h1.52
  text "Pad" at 120.503,117.601 h1.52
  text "Rounded Rectangle" at 135.485,117.601 h1.52
  text "r300_750h200_650r50" at 163.163,117.601 h1.52
  text "255.91mil (6.500mm)" at 287.892,117.601 h1.52
  text "255.91mil (6.500mm)" at 318.617,117.601 h1.52
  text "1" at 14.615,113.791 h1.52
  text "118.11mil (3.000mm)" at 29.597,113.791 h1.52
  text "PTH" at 58.798,113.791 h1.52
  text "Slot" at 71.647,113.791 h1.52
  text "Top1 - Bottom2" at 90.286,113.791 h1.52
  text "Pad" at 120.503,113.791 h1.52
  text "Rounded" at 135.485,113.791 h1.52
  text "r400_2000h300_1900r100" at 163.163,113.791 h1.52
  text "748.03mil (19.000mm)" at 287.892,113.791 h1.52
  text "629.92mil (16.000mm)" at 318.617,113.791 h1.52
  text "2" at 14.615,109.981 h1.52
  text "82.68mil (2.100mm)" at 29.597,109.981 h1.52
  text "PTH" at 58.798,109.981 h1.52
  text "Slot" at 71.647,109.981 h1.52
  text "Top1 - Bottom2" at 90.286,109.981 h1.52
  text "Pad" at 120.503,109.981 h1.52
  text "Rounded" at 135.485,109.981 h1.52
  text "r150_270h210_90r100" at 163.163,109.981 h1.52
  text "35.43mil (0.900mm)" at 287.892,109.981 h1.52
  text "-47.24mil (-1.200mm)" at 318.617,109.981 h1.52
  text "2" at 14.615,106.171 h1.52
  text "106.30mil (2.700mm)" at 29.597,106.171 h1.52
  text "PTH" at 58.798,106.171 h1.52
  text "Slot" at 71.647,106.171 h1.52
  text "Top1 - Bottom2" at 90.286,106.171 h1.52
  text "Pad" at 120.503,106.171 h1.52
  text "Rounded" at 135.485,106.171 h1.52
  text "r150_330h270_90r100" at 163.163,106.171 h1.52
  text "35.43mil (0.900mm)" at 287.892,106.171 h1.52
  text "-70.87mil (-1.800mm)" at 318.617,106.171 h1.52
  text "3" at 14.615,102.361 h1.52
  text "32.00mil (0.813mm)" at 29.597,102.361 h1.52
  text "PTH" at 58.798,102.361 h1.52
  text "Round" at 71.647,102.361 h1.52
  text "Top1 - Bottom2" at 90.286,102.361 h1.52
  text "Pad" at 120.503,102.361 h1.52
  text "Rounded" at 135.485,102.361 h1.52
  text "c127h81" at 163.163,102.361 h1.52
  text "-" at 287.892,102.361 h1.52
  text "-" at 318.617,102.361 h1.52
  text "4" at 14.615,98.551 h1.52
  text "118.11mil (3.000mm)" at 29.597,98.551 h1.52
  text "PTH" at 58.798,98.551 h1.52
  text "Round" at 71.647,98.551 h1.52
  text "Top1 - Bottom2" at 90.286,98.551 h1.52
  text "Pad" at 120.503,98.551 h1.52
  text "Rounded" at 135.485,98.551 h1.52
  text "c500h300" at 163.163,98.551 h1.52
  text "-" at 287.892,98.551 h1.52
  text "-" at 318.617,98.551 h1.52
  text "170" at 14.615,94.741 h1.52
  text "10.00mil (0.254mm)" at 29.597,94.741 h1.52
  text "PTH" at 58.798,94.741 h1.52
  text "Round" at 71.647,94.741 h1.52
  text "Top1 - Bottom2" at 90.286,94.741 h1.52
  text "Via" at 120.503,94.741 h1.52
  text "Rounded" at 135.485,94.741 h1.52
  text "v46h25m0mx0" at 163.163,94.741 h1.52
  text "-" at 287.892,94.741 h1.52
  text "-" at 318.617,94.741 h1.52
  text "183 Total" at 14.615,90.931 h1.52
  text "Slot definitions :" at 1.765,87.248 h1.52
  text "Routed Path Length" at 27.996,87.248 h1.52
  text "= Calculated from tool start centre position to tool end centre position." at 56.003,87.248 h1.52
  text "Hole Length" at 27.996,84.709 h1.52
  text "= Routed Path Length + Tool Size = Slot length as defined in the PCB layout" at 45.593,84.709 h1.52